# Altium PCB ALTIUM_{TEX139}_HV-1PH-DCAC-R3.PcbDoc (part 3 of 3)
Units mil, origin at the board's own origin, x right, y up, seen from the top; angles counter-clockwise.
Board outline 11236.22 x 7400 mil, 2 copper layers (Top Layer, Bottom Layer); 251 components, 161 nets, 894 pads, 401 vias.
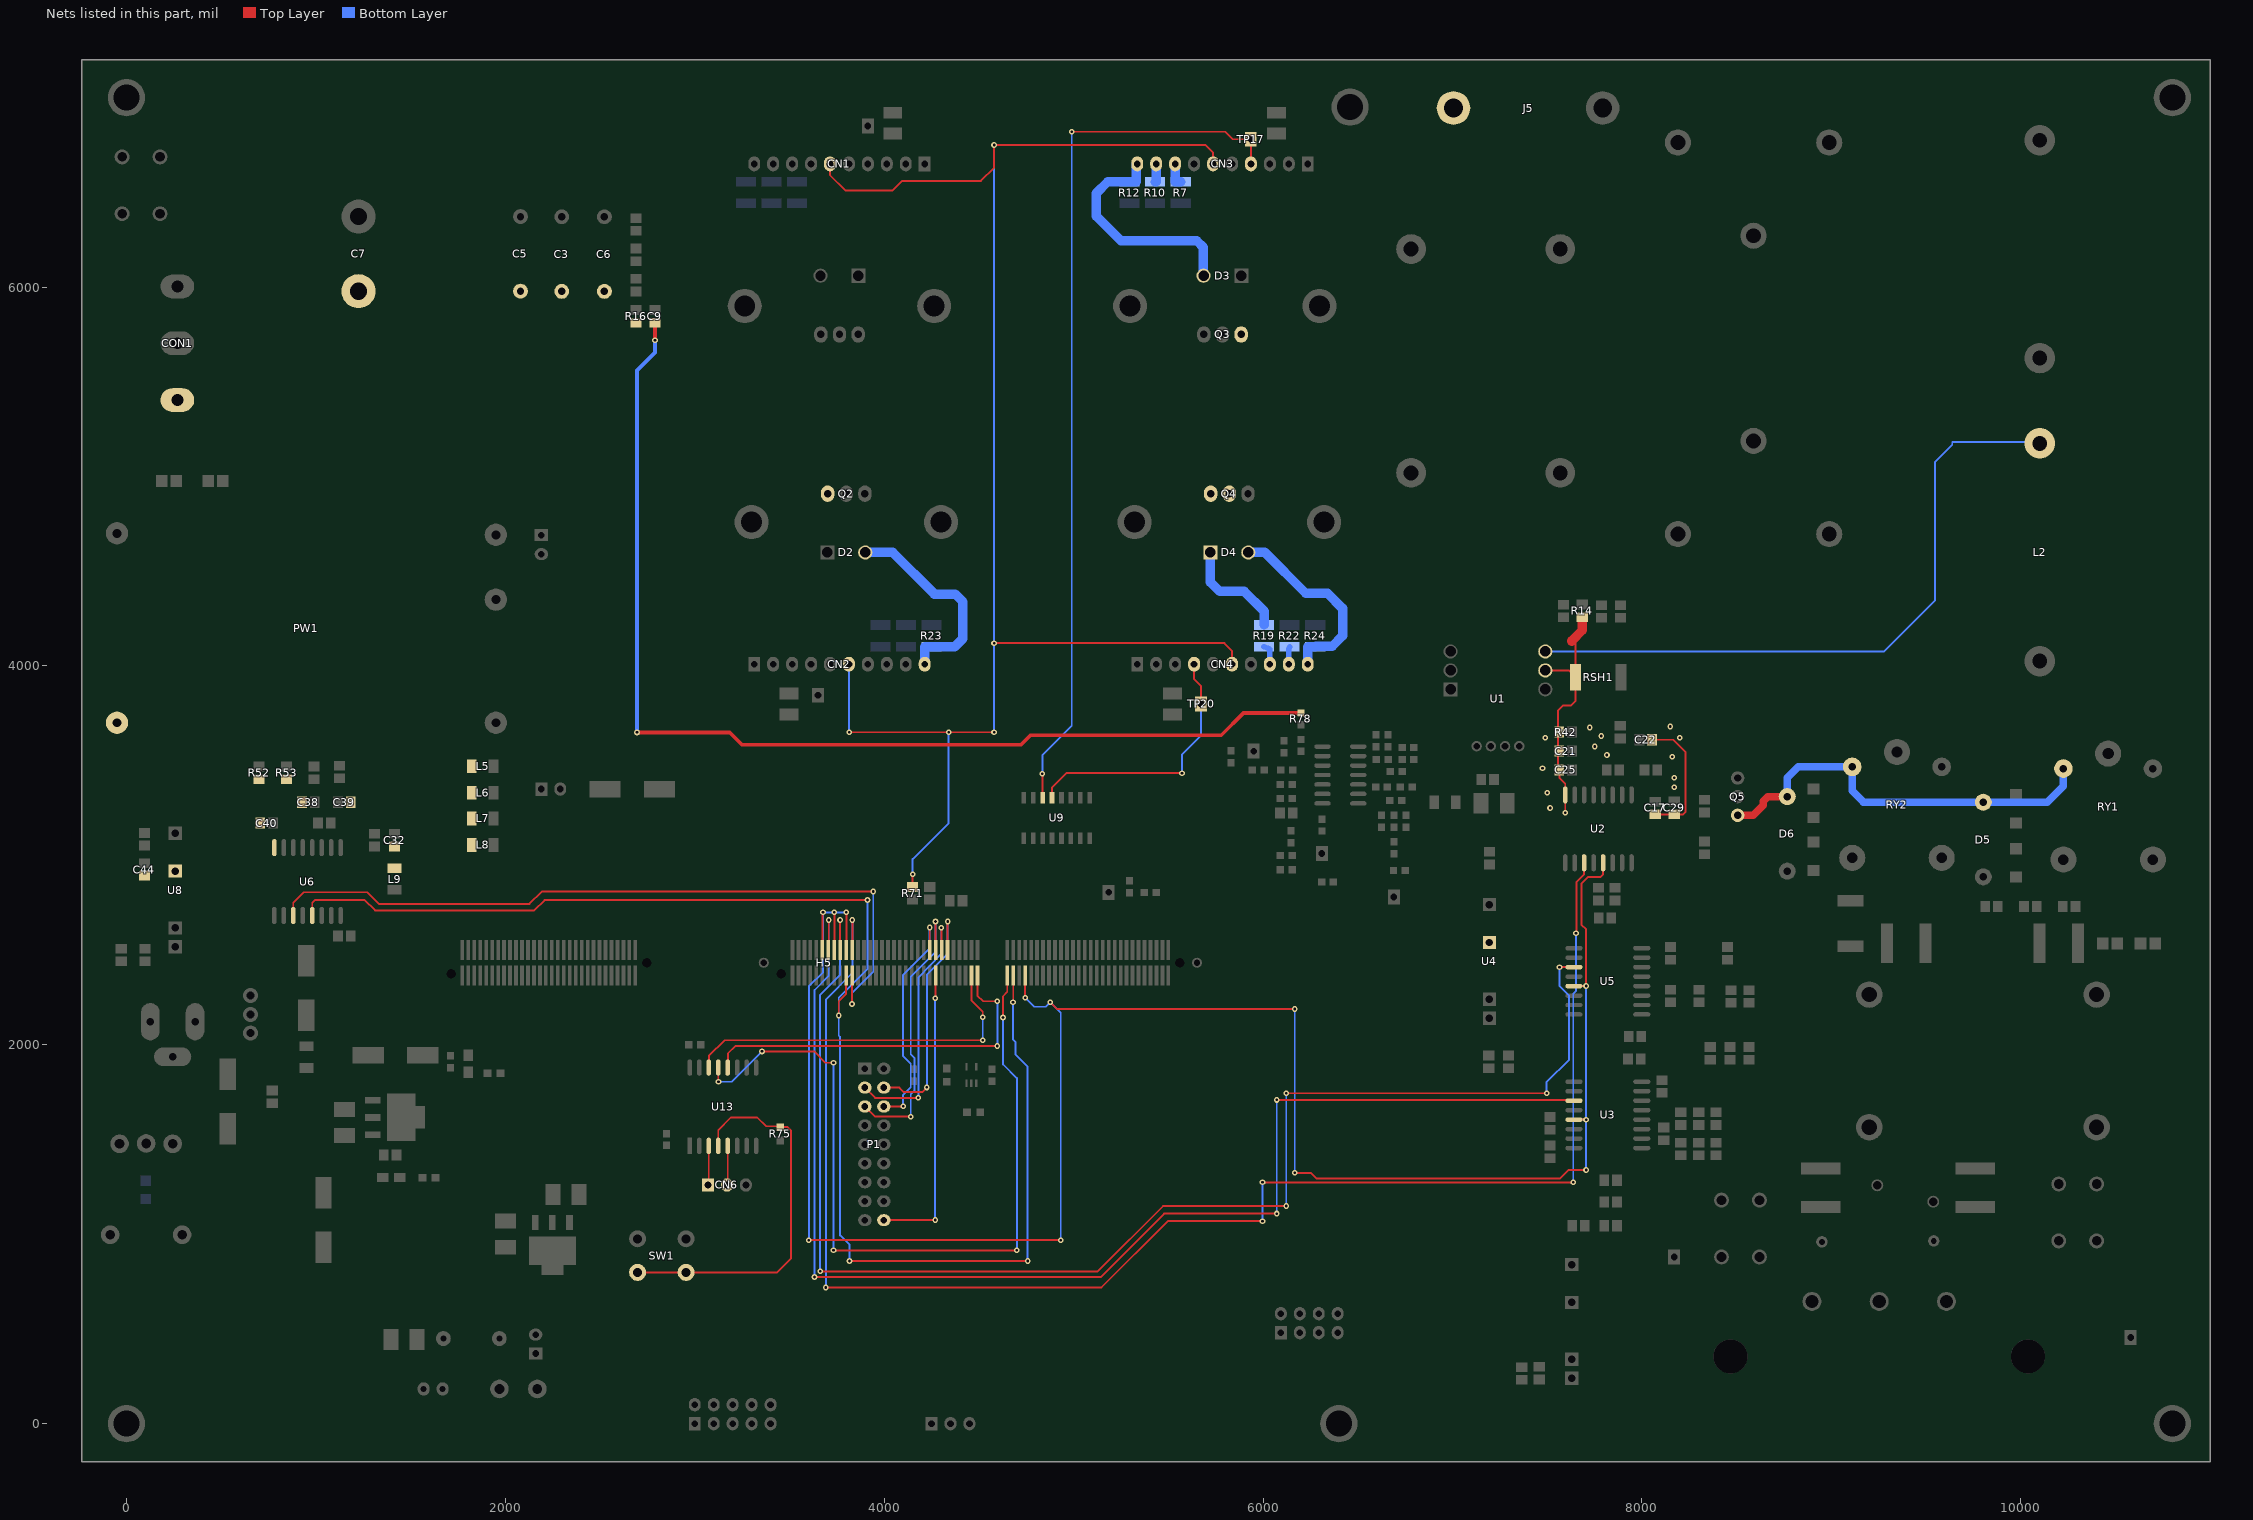
[diagram p3: the nets of this part, all layers, seen from the top]

## Via types
v1: diameter 30/30 (per signal layer), hole 14, Top Layer to Bottom Layer, 390 vias
v2: diameter 60/60 (per signal layer), hole 28, Top Layer to Bottom Layer, 10 vias
v3: diameter 50, hole 28, Top Layer to Bottom Layer, 1 vias

## Nets (pads, with @x,y where several pads share a name; then routed paths per layer and width w, separated by ;. In a path a pad name is that pad's centre, name@x,y a point inside that pad or via, vN(x,y) a via of type N, cw(c..) or ccw(c..) an arc to the next point about the centre after c; other vN are vias at no path point) (continued)
Q2PWM-: C3.1 C5.1 C6.1 C7.2 C9.2 C32.1 C38.2 C39.2 C40.1 C44.2 CN2.10 CN4.10 CON1.3 D2.2 D4.2 L5.1 L6.1 L7.1 L8.1 L9.1 PW1.2 Q2.3 Q4.3 R16.1 R23.1 R24.1 R52.1 R53.2 R78.1 U6.8 U8.5 | length 8001.1
  Top Layer w20: L9.1@1415,2932.09 L9.1@1416.91,2934 ; v1(2695,3649) 3185,3649 3250,3584 4722,3584 4772,3634 5779.5,3634 5897,3751.5 R78.1@6200,3751.5 ; v1(2790,5719) C9.2@2790,5811.54
  Bottom Layer w20: v1(2695,3649) 2695,5559 2790,5654 v1(2790,5719)
  Bottom Layer w50: D2.2@3900,4599 4045,4599 4265,4379 4375,4379 4415,4339 4415,4144 4372.91,4101.91 R23.1@4250,4101.91 4213.78,4101.91 CN2.10@4213.78,4009 ; D4.2@5922,4599 6010,4599 6225,4384 6340,4384 6420,4304 6420,4159 6365,4104 6277.09,4104 R24.1@6275,4101.91 6235.78,4101.91 CN4.10@6235.78,4009
Q3.PWM: CN3.4 TP17.1 U9.14 | length 4671.4
  Top Layer w10: v1(4835,3430) 4835.78,3429.22 U9.14@4835.78,3305.04 ; v1(4990,6820) 5800,6820 5840,6780 TP17.1@5935,6780 5935.78,6779.22 CN3.4@5935.78,6650
  Bottom Layer w10: v1(4835,3430) 4835,3529 4990,3684 v1(4990,6820)
Q3_C: CN3.8 R7.1 | length 123.1
  Bottom Layer w50: CN3.8@5535.78,6650 5535.78,6556.09 R7.1@5565,6556.09
Q3PWM+: CN3.9 R10.1 | length 99.7
  Bottom Layer w50: R10.1@5430,6556.09 5435,6556.09 5435,6650 CN3.9@5435.78,6650
Q3PWM-: CN3.10 D3.2 D4.1 J5.1 Q3.3 Q4.2 R12.1 R19.2 | length 1816
  Bottom Layer w50: CN3.10@5335.78,6650 5330,6650 5330,6556.09 R12.1@5295,6556.09 5180,6556.09 5120,6496.09 5120,6374 5250,6244 5650,6244 5685,6209 5685,6060 D3.2@5685.78,6060 ; D4.1@5722,4599 5722,4442 5770,4394 5900,4394 6005,4289 R19.2@6005,4216.09
Q4.PWM: CN4.4 TP20.1 U9.13 | length 1403.3
  Top Layer w10: U9.13@4885.78,3305.04 4885.78,3359 4960.78,3434 v1(5572,3434) ; CN4.4@5635.78,4009 5635.78,3930 5672.78,3893 TP20.1@5672.78,3799.15
  Bottom Layer w10: v1(5572,3434) 5572,3533.22 5672.78,3634 TP20.1@5672.78,3799.15
Q4_C: CN4.8 R19.1 | length 112.7
  Bottom Layer w30: R19.1@6005,4101.91 6035.78,4087.91 CN4.8@6035.78,4009
Q4PWM+: CN4.9 R22.1 | length 93.5
  Bottom Layer w30: CN4.9@6135.78,4009 6135.78,4087.91 R22.1@6140,4101.91
RESET: CN1.6 CN2.6 CN3.6 CN4.6 R71.1 | length 8824.5
  Top Layer w10: CN1.6@3713.78,6650 3713.78,6591.22 3795,6510 4045,6510 4095,6560 4510,6560 4580,6630 v1(4580,6750) 5695.78,6750 5735.78,6710 CN3.6@5735.78,6650 ; v1(3815,3650) v1(4340,3650) v1(4580,3650) ; R71.1@4150,2833.46 v1(4150,2900) ; v1(4580,4120) 5795.78,4120 5835.78,4080 CN4.6@5835.78,4009
  Bottom Layer w10: CN2.6@3813.78,4009 3813.78,3650 v1(3815,3650) ; v1(4150,2900) 4150,2980 4340,3170 v1(4340,3650) ; v1(4580,3650) v1(4580,4120) v1(4580,6750)
RS232RX: H5.60 U13.14 | length 1868.4
  Top Layer w10: U13.14@3073.78,1879.84 3075,1881.06 3075,1942 3157,2024 v1(4520,2024) ; H5.60@4460.63,2326.14 4460.63,2234.37 4520,2175 v1(4520,2145)
  Bottom Layer w10: v1(4520,2024) v1(4520,2145)
RS232TX: H5.58 U13.12 | length 1932.7
  Top Layer w10: U13.12@3173.78,1879.84 3175,1881.06 3175,1954 3215,1994 v1(4597,1994) ; H5.58@4492.13,2326.14 4492.13,2260 4522.13,2230 v1(4597,2230)
  Bottom Layer w10: v1(4597,1994) v1(4597,2230)
RX_ISO: CN6.2 U13.5 | length 208
  Top Layer w10: CN6.2@3170,1260 3173.78,1263.78 U13.5@3173.78,1466.46
RYCOM: D5.1 D6.1 Q5.2 RY1.2 RY2.2 | length 2175.2
  Top Layer w40: Q5.2@8505,3211.57 8586.57,3211.57 8640,3265 8640,3285 8665,3310 8766.68,3310 D6.1@8767,3310.31
  Bottom Layer w40: D6.1@8767,3310.31 8767,3409.16 8825,3467.16 RY2.2@9109.78,3467.16 9109.78,3340 9169.46,3280.31 D5.1@9802,3280.31 10139.78,3280.31 10224.78,3365.31 RY1.2@10224.78,3458.16
SD_CLK_GRID: H5.50 H5.101 H5.105 H5.109 U2.13 U3.13 U5.13 | length 10955.1
  Top Layer w10: v1(3602,969) v1(4932,969) ; H5.109@3673.23,2540 3673.23,2695.23 v1(3677,2699) ; H5.105@3736.22,2540 3737,2500.02 v1(3737,2699) ; H5.101@3799.21,2540 3800,2500.02 v1(3800,2699) ; H5.50@4744.09,2326.14 4744.09,2248.91 v1(4745,2248) ; v1(4876,2224) 4911,2189 v1(6167,2189) ; v1(6167,1324) 6252,1324 6282,1294 7567,1294 7612,1339 v1(7705,1339) ; U3.13@7640.87,1605 v1(7705,1605) ; U5.13@7640.87,2310 v1(7705,2310) 7705,2609 7680,2634 7680,2850 7715,2885 7780,2885 7795,2900 U2.13@7795,2960.87
  Bottom Layer w10: v1(3602,969) 3602,2309 3677,2384 v1(3677,2699) v1(3737,2699) v1(3800,2699) ; v1(4745,2248) 4792,2201 4853,2201 v1(4876,2224) 4932,2168 v1(4932,969) ; v1(6167,1324) v1(6167,2189) ; v1(7705,1339) v1(7705,1605) v1(7705,2310)
SD_CLK_VBUS: H5.54 H5.102 U6.13 | length 7669.1
  Top Layer w10: U6.13@980.57,2682.34 980.57,2749 996.57,2765 1256,2765 1312,2709 2152,2709 2207,2764 v1(3912,2764) ; v1(3760,2155) 3760,2230.79 3799.21,2270 H5.102@3799.21,2326.14 ; v1(3817,859) v1(4757,859) ; v1(4680,2225) 4681.1,2226.1 H5.54@4681.1,2326.14
  Bottom Layer w10: v1(3817,859) 3817,944 3767,994 3767,2042 3760,2049 v1(3760,2155) 3760,2249 3912,2401 v1(3912,2764) ; v1(4680,2225) 4680,2027 4692,2015 4692,1950 4757,1885 v1(4757,859)
SD_DATA_CAPI: H5.99 U2.11 | length 8202.9
  Top Layer w10: v1(3692,719) 5147,719 5497,1069 v1(5997,1069) ; H5.99@3830.71,2540 H5.99@3832,2500.04 ; H5.99@3832,2500 v1(3832,2659) ; v1(5997,1274) v1(7637,1274) ; v1(7652,2589) 7654,2591 7654,2859 7695,2900 U2.11@7695,2960.87
  Bottom Layer w10: v1(3692,719) 3692,2239 3832,2379 v1(3832,2659) ; v1(5997,1069) v1(5997,1274) ; v1(7637,1274) 7637,2269 7652,2284 v1(7652,2589)
SD_DATA_GRIDI: H5.103 U5.11 | length 7481.9
  Top Layer w10: v1(3662,804) 5127,804 5472,1149 v1(6122,1149) ; v1(3767,2659) 3767,2500 H5.103@3767.72,2540 ; v1(6122,1744) v1(7497,1744) ; v1(7565,2410) U5.11@7640.87,2410
  Bottom Layer w10: v1(3662,804) 3662,2264 3767,2369 v1(3767,2659) ; v1(6122,1149) v1(6122,1744) ; v1(7497,1744) 7497,1804 7615,1922 7615,2259 7565,2309 v1(7565,2410)
SD_DATA_GRIDV: H5.107 U3.11 | length 6864.4
  Top Layer w10: v1(3632,774) 5142,774 5477,1109 v1(6072,1109) ; H5.107@3704.72,2540 3706.99,2500.13 3707,2500 v1(3707,2659) ; v1(6072,1709) 7636.87,1709 U3.11@7640.87,1705
  Bottom Layer w10: v1(3632,774) 3632,2289 3707,2364 v1(3707,2659) ; v1(6072,1109) v1(6072,1709)
SD_DATA_VBUS: H5.100 U6.11 | length 4033.6
  Top Layer w10: U6.11@880.57,2682.34 880.57,2749 936.57,2805 1271,2805 1332,2744 2127,2744 2192,2809 v1(3942,2809) ; v1(3830,2215) 3830,2365.43 H5.100@3830.71,2326.14
  Bottom Layer w10: v1(3830,2215) 3830,2274 3942,2386 v1(3942,2809)
SDSENSEGND1: C17.1 C21.2 C22.2 C25.1 C29.2 L2.1 R14.2 R42.1 RSH1.2 U1.4 U1.5 U2.8 U4.5 | length 5496.1
  Top Layer w10: U1.5@7489.68,3976.26 7613.66,3976.26 RSH1.2@7649.92,3940 ; v1(7595,3225) U2.8@7595,3319.13 7595,3378.76 7563.76,3410 C25.1@7563.76,3450.85 7557.22,3457.39 7557.22,3550.85 7557.22,3765 7582.26,3790.04 7624.96,3790.04 7649.92,3815 RSH1.2@7649.92,3940 ; 7650,4130 7650,3940.08 RSH1.2@7649.92,3940 ; C22.2@8060,3610 8165,3610 8230,3545 8230,3230 8215,3215 8172.54,3215 C29.2@8170,3217.54 8170,3216.54 C17.1@8070,3216.54
  Top Layer w50: 7630,4130 7630,4133 7685,4188 R14.2@7685,4257
  Bottom Layer w10: U1.4@7489.68,4076.26 9278.26,4076.26 9546,4344 9546,5076 9638,5168 9638,5181 10094,5181 L2.1@10100,5175
  other v1: 7515,3250 7500,3330 8170,3360 8170,3410 7475,3460 8160,3520 7815,3530 7750,3575 7490,3620 8200,3620 7785,3630 7725,3675 8150,3680
SPICLKA: H5.71 P1.5 | length 1478.4
  Top Layer w10: P1.5@3897.78,1674.15 3950,1621.93 4138.07,1621.93 v1(4140,1620) ; v1(4271,2651) 4271.65,2651 H5.71@4271.65,2540
  Bottom Layer w10: v1(4140,1620) 4140,1740 4160,1760 4160,1930 4140,1950 4140,2360 4271,2490 v1(4271,2651)
SPISIMOA: H5.67 P1.4 | length 1280.5
  Top Layer w10: P1.4@3997.78,1774.15 4080,1774.15 4104.15,1750 4200,1750 v1(4225,1775) ; H5.67@4334.65,2540 4334.65,2651 v1(4335,2651)
  Bottom Layer w10: v1(4225,1775) 4225,2370 4335,2480 v1(4335,2651)
SPISOMIA: H5.69 P1.3 | length 1330.5
  Top Layer w10: P1.3@3897.78,1774.15 3951.93,1720 v1(4180,1720) ; v1(4301,2618) 4303.15,2615.85 H5.69@4303.15,2540
  Bottom Layer w10: v1(4180,1720) 4180,2355 4301,2480 v1(4301,2618)
SPISTEA: H5.73 P1.6 | length 1216.8
  Top Layer w10: P1.6@3997.78,1674.15 4099.15,1674.15 v1(4100,1675) ; v1(4240,2619) 4240.16,2618.84 H5.73@4240.16,2540
  Bottom Layer w10: v1(4100,1675) 4100,1735 4140,1775 4140,1900 4100,1940 4100,2370 4240,2510 v1(4240,2619)
SW-ON: H5.56 U13.13 | length 4182.2
  Top Layer w10: U13.13@3123.78,1879.84 3123.78,1806.22 v1(3125,1805) ; v1(3355,1965) 3630,1965 3690,1905 v1(3732,1905) ; v1(3732,915) v1(4700,915) ; v1(4627,2144) 4627,2256.39 4649.61,2279 H5.56@4649.61,2326.14
  Bottom Layer w10: v1(3125,1805) 3195,1805 v1(3355,1965) ; v1(3732,915) v1(3732,1905) ; v1(4627,2144) 4627,1897 4700,1824 v1(4700,915)
SW-ON-ISO: R75.2 SW1.3 SW1.4 U13.4 | length 2038.3
  Top Layer w10: SW1.3@2698.27,798.74 SW1.4@2954.17,798.74 3435,798.74 3507,870.74 3507,1548 3489.96,1565.04 R75.2@3450,1565.04 3445.04,1570 3376.22,1570 3330,1616.22 3190,1616.22 3123.78,1550 U13.4@3123.78,1466.46
TX_ISO: CN6.1 U13.3 | length 208
  Top Layer w10: CN6.1@3070,1260 3073.78,1263.78 U13.3@3073.78,1466.46
TXDRVEN: H5.72 P1.18 | length 1524.5
  Top Layer w10: P1.18@3997.78,1074.15 4269.15,1074.15 v1(4269,1075) ; v1(4269,2246) 4271.65,2248.65 H5.72@4271.65,2326.14
  Bottom Layer w10: v1(4269,1075) v1(4269,2246)
pads on no net: @0.1 @0_2.1 @0_3.1 @0_4.1 @0_5.1 @0_6.1 CN7.3 CN7.5 CN7.7 CON1.2 H1.0 H2.0 H3.0 H4.0 H5.1 H5.2 H5.3 H5.4 H5.5 H5.6 H5.8 H5.13 H5.14 H5.16 H5.18 H5.20 H5.24 H5.26 H5.28 H5.29 H5.30 H5.31 H5.32 H5.33 H5.34 H5.36 H5.37 H5.39 H5.40 H5.41 H5.42 H5.43 H5.44 H5.45 H5.62 H5.64 H5.66 H5.74 H5.75 H5.76 H5.78 H5.80 H5.81 H5.82 H5.85 H5.86 H5.87 H5.88 H5.89 H5.90 H5.91 H5.92 H5.93 H5.94 H5.95 H5.96 H5.104 H5.106 H5.108 H5.110 H5.113 H5.114 H5.115 H5.116 H5.117 H5.118 H5.119 H5.120 H5.121 H5.122 H5.123 H5.124 H5.125 H5.126 H5.127 H5.128 H5.129 H5.130 H5.131 H5.132 H5.133 H5.134 H5.136 H5.137 H5.138 H5.139 H5.140 H5.141 H5.142 H5.143 H5.144 H5.145 H5.146 H5.147 H5.148 H5.149 H5.150 H5.151 H5.152 H5.153 H5.154 H5.155 H5.156 H5.159 H5.160 H5.161 H5.162 H5.163 H5.164 H5.165 H5.166 H5.167 H5.168 H5.169 H5.170 H5.171 H5.172 H5.173 H5.174 H5.175 H5.176 H5.177 H5.178 H5.181 H5.182 H5.183 H5.184 H5.185 H5.186 J1.4 J1.5 P1.7 P1.8 P1.9 P1.14 P2.3 P2.4 P2.5 P2.6 PW1.6 RY1.4 RY2.4 S1.3 U2.4 U2.5 U2.10 U2.12 U2.15 U3.4 U3.5 U3.10 U3.12 U3.15 U5.4 U5.5 U5.10 U5.12 U5.15 U6.4 U6.5 U6.10 U6.12 U6.15 U9.5 U9.6 U9.7 U9.9 U9.10 U9.11 U9.12 U12.5 U13.6 U13.11 U15.3
copper on no net: | length 0.2

## Polygon pours and split planes (outlines as drawn)
Q2PWM- on Top Layer "Top Layer-Q2PWM-" (solid, remove dead copper, pour order 42): 885 vertices, not listed, extent -188,2765 6037,6120
NETL1_2 on Top Layer "Top Layer-NETL1_2" (solid, remove dead copper, pour order 38): 261 vertices, not listed, extent 6560,3805 7790,5310
SDSENSEGND1 on Top Layer "Top Layer-SDSENSEGND1 1" (solid, remove dead copper, pour order 36): 157 vertices, not listed, extent 7422,3839 7677,4169
NETCON1_1 on Top Layer "Top Layer-NETCON1_1" (solid, remove dead copper, pour order 30): 105 vertices, not listed, extent -75,5855 410,6460
LINE_VN on Top Layer "Top Layer-LINE_VN" (solid, remove dead copper, pour order 28): 365 vertices, not listed, extent 7557,474 8912,2824
SDSENSEGND1 on Top Layer "Top Layer-SDSENSEGND1" (solid, remove dead copper, pour order 26): 261 vertices, not listed, extent 7100,2419 8250,3730
GND on Top Layer "Top Layer-GND" (solid, remove dead copper, pour order 10): 1197 vertices, not listed, extent -188,-126 8662,5064
Q1PWM- on Top Layer "Top Layer-Q1PWM-" (solid, remove dead copper, pour order 8): 365 vertices, not listed, extent 3425,5419 7800,6400
+BUS on Top Layer "Top Layer-+BUS" (solid, remove dead copper, pour order 4): 780 vertices, not listed, extent -200,4475 6135,6834
GNDISO on Top Layer "Top Layer-GNDISO" (solid, remove dead copper, pour order 2): 157 vertices, not listed, extent 1860,-140 3532,1670
GND on Bottom Layer "Bottom Layer-GND" (solid, remove dead copper, pour order 40): 1197 vertices, not listed, extent -188,-126 8662,5064
Q1PWM- on Bottom Layer "Bottom Layer-Q1PWM-" (solid, remove dead copper, pour order 32): 444 vertices, not listed, extent 3430,4534 4095,6189
GNDISO on Bottom Layer "Bottom Layer-GNDISO 1" (solid, remove dead copper, pour order 24): 157 vertices, not listed, extent 1860,-140 3532,1670
LINE_VN on Bottom Layer "Bottom Layer-LINE_VN" (solid, remove dead copper, pour order 22): 365 vertices, not listed, extent 7557,474 8912,2824
SDSENSEGND1 on Bottom Layer "Bottom Layer-SDSENSEGND1" (solid, remove dead copper, pour order 16): 261 vertices, not listed, extent 7100,2419 8250,3730
Q3PWM- on Bottom Layer "Bottom Layer-Q3PWM-" (solid, remove dead copper, pour order 14): 625 vertices, not listed, extent 5455,4524 7390,7129
GNDISO on Bottom Layer "Bottom Layer-GNDISO" (solid, remove dead copper, pour order 6): 157 vertices, not listed, extent 1860,-140 3532,1670

## Keep-outs
Keep-Out Layer:
  the board outline again, w12

## Other copper
Top Layer:
  rectangle net NETL2_2: 10349,3431 10573,3818
  rectangle net NETL2_2: 9864,3802 10573,4153
  rectangle net NetL2N_2: 9239,3472 9442,5950
  rectangle net NetL2N_2: 9393,5373 10383,5951
  rectangle net NETC1_2: 7677,6585 10251,7049
  rectangle net NETC1_2: 8154,6172 9021,6656
  rectangle net CAPISENSESD: 7848,3846 9086,4047
  rectangle net CAPISENSESD: 8108,3927 9086,5353
  pour cut-out: 8590,2230 8590,2240 8640,2240 8752.5,2352.5 8752.5,2405 8886.25,2538.75 9040,2538.75 9040,2495 8905,2495 8792.5,2382.5 8792.5,2330 8656.25,2193.75 8585,2193.75 8585,2230 8590,2230
  pour cut-out: 8530,2205 8530,2015 8600,2015 8600,2205 8530,2205
  region net LINE.L: 8759.65,720 8761.03,730.44 8765.06,740.17 8771.47,748.53 8779.83,754.94 8789.56,758.97 8800,760.35 8800,760 9040,760.35 9050.44,758.97 9060.17,754.94 9068.53,748.53 9074.94,740.17 9078.97,730.44 9080.35,720 9080,720 9079.65,250 9081.03,239.56 9085.06,229.83 9091.47,221.47 9099.83,215.06 9109.56,211.03 9120,209.65 9120,210 10210,209.65 10220.44,211.03 10230.17,215.06 10238.53,221.47 10244.94,229.83 10248.97,239.56 10250.35,250 10250,250 10250.35,640 10248.97,650.44 10244.94,660.17 10238.53,668.53 10230.17,674.94 10220.44,678.97 10210,680.35 10210,680 10090,679.65 10079.56,681.03 10069.83,685.06 10061.47,691.47 10055.06,699.83 10051.03,709.56 10049.65,720 10050,720 10049.65,1050 10051.03,1060.44 10055.06,1070.17 10061.47,1078.53 10069.83,1084.94 10079.56,1088.97 10090,1090.35 10090,1090 10590,1090.35 10600.44,1088.97 10610.17,1084.94 10618.53,1078.53 10624.94,1070.17 10628.97,1060.44 10630.35,1050 10630,1050 10630.35,-105 10628.97,-115.44 10624.94,-125.17 10618.53,-133.53 10610.17,-139.94 10600.44,-143.97 10590,-145.35 10590,-145 6735,-145.35 6724.56,-143.97 6714.83,-139.94 6706.47,-133.53 6700.06,-125.17 6696.03,-115.44 6694.65,-105 6695,-105 6695.35,145 6693.97,155.44 6689.94,165.17 6683.53,173.53 6675.17,179.94 6665.44,183.97 6655,185.35 6655,185 6050,184.65 6039.56,186.03 6029.83,190.06 6021.47,196.47 6015.06,204.83 6011.03,214.56 6009.65,225 6010,225 6009.65,635 6011.03,645.44 6015.06,655.17 6021.47,663.53 6029.83,669.94 6039.56,673.97 6050,675.35 6050,675 6090,675.35 6100.44,673.97 6110.17,669.94 6118.53,663.53 6124.94,655.17 6128.97,645.44 6130.35,635 6130,635 6129.65,420 6131.03,409.56 6135.06,399.83 6141.47,391.47 6149.83,385.06 6159.56,381.03 6170,379.65 6170,380 6900,380.35 6910.44,378.97 6920.17,374.94 6928.53,368.53 6934.94,360.17 6938.97,350.44 6940.35,340 6940,340 6939.65,49 6941.03,38.56 6945.06,28.83 6951.47,20.47 6959.83,14.06 6969.56,10.03 6980,8.65 6980,9 8720,8.65 8730.44,10.03 8740.17,14.06 8748.53,20.47 8754.94,28.83 8758.97,38.56 8760.35,49 8760,49 8760,720
  region net NETC74_1: 2320,440 2080,440 2080,620 1860,620 1860,1160 2180,1160 2180,1020 1910,1020 1910,730 2320,730 2320,440
  region net NETJ2_1: 311.57,2359 313.29,2372.05 318.33,2384.22 326.34,2394.66 336.78,2402.67 348.95,2407.71 362,2409.43 362,2409 722,2409.43 735.05,2407.71 747.22,2402.67 757.66,2394.66 765.67,2384.22 770.71,2372.05 772.43,2359 772,2359 772.07,2258.98 771.65,2255.84 767.35,2245.44 760.49,2236.51 751.56,2229.65 741.16,2225.35 730,2223.88 721.98,2224.93 722,2225 621.95,2225.04 618.52,2224.7 607.49,2221.35 597.31,2215.92 588.4,2208.6 581.08,2199.69 575.65,2189.51 572.3,2178.48 571.17,2167 571.96,2158.95 572,2159 572.43,2059 570.71,2045.95 565.67,2033.78 557.66,2023.34 547.22,2015.33 535.05,2010.29 522,2008.57 522,2009 362,2008.57 348.95,2010.29 336.78,2015.33 326.34,2023.34 318.33,2033.78 313.29,2045.95 311.57,2059 312,2059 312,2359
  region net NETC8_1: 9482,1219 9862,1219 9862,899 9482,899 9482,1219
  region net +5V: -140,2440 180,2440 180,2340 20,2340 20,1310 815,1310 815,1550 1335,1550 1335,1435 1370,1435 1370,1244 1235,1244 1235,1345 905,1345 905,1045 1415,1045 1415,310 1600,310 1600,110 400,110 400,1115 -140,1115 -140,2440
  region net 3.3VISO: 2220,1490 2970,1490 2970,1390 2280,1390 2280,920 2220,920 2220,1490
  region net NETJP4_1: 2080,400 2320,400 2320,120 2080,120 2080,400
  region net LINE_VN: 9034.65,2605 9036.03,2615.44 9040.06,2625.17 9046.47,2633.53 9054.83,2639.94 9064.56,2643.97 9075,2645.35 9075,2645 9280,2645.35 9290.44,2643.97 9300.17,2639.94 9308.53,2633.53 9314.94,2625.17 9318.97,2615.44 9320.35,2605 9320,2605 9320.35,2205 9318.97,2194.56 9314.94,2184.83 9308.53,2176.47 9300.17,2170.06 9290.44,2166.03 9280,2164.65 9280,2165 9075,2164.65 9064.56,2166.03 9054.83,2170.06 9046.47,2176.47 9040.06,2184.83 9036.03,2194.56 9034.65,2205 9035,2205 9035,2605
  pour cut-out: 8485,2555 8638.75,2551.25 8877.5,2790 9055,2790 9055,2735 8910,2735 8660,2485 8485,2487.5 8485,2555
  region net LINE_VP: 10134.65,3035 10136.03,3045.44 10140.06,3055.17 10146.47,3063.53 10154.83,3069.94 10164.56,3073.97 10175,3075.35 10175,3075 10470,3075.35 10480.44,3073.97 10490.17,3069.94 10498.53,3063.53 10504.94,3055.17 10508.97,3045.44 10510.35,3035 10510,3035 10510.35,2680 10508.97,2669.56 10504.94,2659.83 10498.53,2651.47 10490.17,2645.06 10480.44,2641.03 10470,2639.65 10470,2640 10445,2640 10444.65,2455 10446.03,2444.56 10450.06,2434.83 10456.47,2426.47 10464.83,2420.06 10474.56,2416.03 10485,2414.65 10485,2415 10495,2415.35 10505.44,2413.97 10515.17,2409.94 10523.53,2403.53 10529.94,2395.17 10533.97,2385.44 10535.35,2375 10535,2375 10535.35,2210 10533.97,2199.56 10529.94,2189.83 10523.53,2181.47 10515.17,2175.06 10505.44,2171.03 10495,2169.65 10495,2170 10325,2169.65 10314.56,2171.03 10304.83,2175.06 10296.47,2181.47 10290.06,2189.83 10286.03,2199.56 10284.65,2210 10285,2210 10285.35,2790 10283.97,2800.44 10279.94,2810.17 10273.53,2818.53 10265.17,2824.94 10255.44,2828.97 10245,2830.35 10245,2830 10175,2829.65 10164.56,2831.03 10154.83,2835.06 10146.47,2841.47 10140.06,2849.83 10136.03,2859.56 10134.65,2870 10135,2870 10135,3035
  region net EARTH: 9330.35,630 9328.97,619.56 9324.94,609.83 9318.53,601.47 9310.17,595.06 9300.44,591.03 9290,589.65 9290,590 9210,589.65 9199.56,591.03 9189.83,595.06 9181.47,601.47 9175.06,609.83 9171.03,619.56 9169.65,630 9170,630 9169.65,810 9171.03,820.44 9175.06,830.17 9181.47,838.53 9189.83,844.94 9199.56,848.97 9210,850.35 9210,850 9860,849.65 9870.44,851.03 9880.17,855.06 9888.53,861.47 9894.94,869.83 9898.97,879.56 9900.35,890 9900,890 9900.35,1260 9898.97,1270.44 9894.94,1280.17 9888.53,1288.53 9880.17,1294.94 9870.44,1298.97 9860,1300.35 9860,1300 9641.48,1299.65 9638.55,1300.04 9638.52,1300.11 9100,1340 9100,1300 8850,1299.65 8839.56,1301.03 8829.83,1305.06 8821.47,1311.47 8815.06,1319.83 8811.03,1329.56 8809.65,1340 8810,1340 8809.65,1390 8811.03,1400.44 8815.06,1410.17 8821.47,1418.53 8829.83,1424.94 8839.56,1428.97 8850,1430.35 8850,1430 9595,1429.65 9605.44,1431.03 9615.17,1435.06 9623.53,1441.47 9629.94,1449.83 9633.97,1459.56 9635.35,1470 9635,1470 9635.35,2365 9633.97,2375.44 9629.94,2385.17 9623.53,2393.53 9615.17,2399.94 9605.44,2403.97 9595,2405.35 9595,2405 9525,2404.65 9514.56,2406.03 9504.83,2410.06 9496.47,2416.47 9490.06,2424.83 9486.03,2434.56 9484.65,2445 9485,2445 9484.65,2550 9486.03,2560.44 9490.06,2570.17 9496.47,2578.53 9504.83,2584.94 9514.56,2588.97 9525,2590.35 9525,2590 10080,2590.35 10090.44,2588.97 10100.17,2584.94 10108.53,2578.53 10114.94,2570.17 10118.97,2560.44 10120.35,2550 10120,2550 10120.35,2445 10118.97,2434.56 10114.94,2424.83 10108.53,2416.47 10100.17,2410.06 10090.44,2406.03 10080,2404.65 10080,2405 10020,2405.35 10009.56,2403.97 9999.83,2399.94 9991.47,2393.53 9985.06,2385.17 9981.03,2375.44 9979.65,2365 9980,2365 9980.35,770 9978.97,759.56 9974.94,749.83 9968.53,741.47 9960.17,735.06 9950.44,731.03 9940,729.65 9940,730 9370,730.35 9359.56,728.97 9349.83,724.94 9341.47,718.53 9335.06,710.17 9331.03,700.44 9329.65,690 9330,690 9330,630
  region net GRIDISENSESD: 9029.65,3045 9031.03,3055.44 9035.06,3065.17 9041.47,3073.53 9049.83,3079.94 9059.56,3083.97 9070,3085.35 9070,3085 9285,3085.35 9295.44,3083.97 9305.17,3079.94 9313.53,3073.53 9319.94,3065.17 9323.97,3055.44 9325.35,3045 9325,3045 9325.35,2775 9323.97,2764.56 9319.94,2754.83 9313.53,2746.47 9305.17,2740.06 9295.44,2736.03 9285,2734.65 9285,2735 9070,2734.65 9059.56,2736.03 9049.83,2740.06 9041.47,2746.47 9035.06,2754.83 9031.03,2764.56 9029.65,2775 9030,2775 9030,3045
  region net NETC10_2: 8359.65,1270 8361.03,1280.44 8365.06,1290.17 8371.47,1298.53 8379.83,1304.94 8389.56,1308.97 8400,1310.35 8400,1310 8750,1310.35 8760.44,1308.97 8770.17,1304.94 8778.53,1298.53 8784.94,1290.17 8788.97,1280.44 8790.35,1270 8790,1270 8789.65,1230 8791.03,1219.56 8795.06,1209.83 8801.47,1201.47 8809.83,1195.06 8819.56,1191.03 8830,1189.65 8830,1190 9110,1189.65 9120.44,1191.03 9130.17,1195.06 9138.53,1201.47 9144.94,1209.83 9148.97,1219.56 9150.35,1230 9150,1230 9149.65,1250 9151.03,1260.44 9155.06,1270.17 9161.47,1278.53 9169.83,1284.94 9179.56,1288.97 9190,1290.35 9190,1290 9260,1290.35 9270.44,1288.97 9280.17,1284.94 9288.53,1278.53 9294.94,1270.17 9298.97,1260.44 9300.35,1250 9300,1250 9300.35,950 9298.97,939.56 9294.94,929.83 9288.53,921.47 9280.17,915.06 9270.44,911.03 9260,909.65 9260,910 8920,909.65 8909.56,911.03 8899.83,915.06 8891.47,921.47 8885.06,929.83 8881.03,939.56 8879.65,950 8880,950 8880.35,1050 8878.97,1060.44 8874.94,1070.17 8868.53,1078.53 8860.17,1084.94 8850.44,1088.97 8840,1090.35 8840,1090 8400,1089.65 8389.56,1091.03 8379.83,1095.06 8371.47,1101.47 8365.06,1109.83 8361.03,1119.56 8359.65,1130 8360,1130 8360,1270
Bottom Layer:
  rectangle net SDSENSEGND1: 7426,3942 9662,4170
  rectangle net SDSENSEGND1: 9246,4079 9661,5370
  rectangle net SDSENSEGND1: 9616,4932 10378,5373
  region net NETC8_1: 9479.65,1610 9481.03,1620.44 9485.06,1630.17 9491.47,1638.53 9499.83,1644.94 9509.56,1648.97 9520,1650.35 9520,1650 10520,1650.35 10530.44,1648.97 10540.17,1644.94 10548.53,1638.53 10554.94,1630.17 10558.97,1620.44 10560.35,1610 10560,1610 10560.35,1250 10558.97,1239.56 10554.94,1229.83 10548.53,1221.47 10540.17,1215.06 10530.44,1211.03 10520,1209.65 10520,1210 9860,1210.35 9849.56,1208.97 9839.83,1204.94 9831.47,1198.53 9825.06,1190.17 9821.03,1180.44 9819.65,1170 9820,1170 9820.35,940 9818.97,929.56 9814.94,919.83 9808.53,911.47 9800.17,905.06 9790.44,901.03 9780,899.65 9780,900 9520,899.65 9509.56,901.03 9499.83,905.06 9491.47,911.47 9485.06,919.83 9481.03,929.56 9479.65,940 9480,940 9480,1610
  region net NETC10_2: 8359.65,1270 8361.03,1280.44 8365.06,1290.17 8371.47,1298.53 8379.83,1304.94 8389.56,1308.97 8400,1310.35 8400,1310 8750,1309.65 8760.44,1311.03 8770.17,1315.06 8778.53,1321.47 8784.94,1329.83 8788.97,1339.56 8790.35,1350 8790,1350 8789.65,1610 8791.03,1620.44 8795.06,1630.17 8801.47,1638.53 8809.83,1644.94 8819.56,1648.97 8830,1650.35 8830,1650 9260,1650.35 9270.44,1648.97 9280.17,1644.94 9288.53,1638.53 9294.94,1630.17 9298.97,1620.44 9300.35,1610 9300,1610 9300.35,950 9298.97,939.56 9294.94,929.83 9288.53,921.47 9280.17,915.06 9270.44,911.03 9260,909.65 9260,910 8920,909.65 8909.56,911.03 8899.83,915.06 8891.47,921.47 8885.06,929.83 8881.03,939.56 8879.65,950 8880,950 8880.35,1050 8878.97,1060.44 8874.94,1070.17 8868.53,1078.53 8860.17,1084.94 8850.44,1088.97 8840,1090.35 8840,1090 8400,1089.65 8389.56,1091.03 8379.83,1095.06 8371.47,1101.47 8365.06,1109.83 8361.03,1119.56 8359.65,1130 8360,1130 8360,1270
  region net LINE.N: 8039.65,930 8041.03,940.44 8045.06,950.17 8051.47,958.53 8059.83,964.94 8069.56,968.97 8080,970.35 8080,970 8760,970.35 8770.44,968.97 8780.17,964.94 8788.53,958.53 8794.94,950.17 8798.97,940.44 8800.35,930 8800,930 8800.35,750 8798.97,739.56 8794.94,729.83 8788.53,721.47 8780.17,715.06 8770.44,711.03 8760,709.65 8760,710 8380,710.35 8369.56,708.97 8359.83,704.94 8351.47,698.53 8345.06,690.17 8341.03,680.44 8339.65,670 8340,670 8339.65,200 8341.03,189.56 8345.06,179.83 8351.47,171.47 8359.83,165.06 8369.56,161.03 8380,159.65 8380,160 9420,159.65 9430.44,161.03 9440.17,165.06 9448.53,171.47 9454.94,179.83 9458.97,189.56 9460.35,200 9460,200 9459.65,690 9461.03,700.44 9465.06,710.17 9471.47,718.53 9479.83,724.94 9489.56,728.97 9500,730.35 9500,730 9730,730.35 9740.44,728.97 9750.17,724.94 9758.53,718.53 9764.94,710.17 9768.97,700.44 9770.35,690 9770,690 9770.35,-105 9768.97,-115.44 9764.94,-125.17 9758.53,-133.53 9750.17,-139.94 9740.44,-143.97 9730,-145.35 9730,-145 6735,-145.35 6724.56,-143.97 6714.83,-139.94 6706.47,-133.53 6700.06,-125.17 6696.03,-115.44 6694.65,-105 6695,-105 6695.35,295 6693.97,305.44 6689.94,315.17 6683.53,323.53 6675.17,329.94 6665.44,333.97 6655,335.35 6655,335 6395,334.65 6384.56,336.03 6374.83,340.06 6366.47,346.47 6360.06,354.83 6356.03,364.56 6354.65,375 6355,375 6354.65,640 6356.03,650.44 6360.06,660.17 6366.47,668.53 6374.83,674.94 6384.56,678.97 6395,680.35 6395,680 6900,680.35 6910.44,678.97 6920.17,674.94 6928.53,668.53 6934.94,660.17 6938.97,650.44 6940.35,640 6940,640 6939.65,49 6941.03,38.56 6945.06,28.83 6951.47,20.47 6959.83,14.06 6969.56,10.03 6980,8.65 6980,9 8000,8.65 8010.44,10.03 8020.17,14.06 8028.53,20.47 8034.94,28.83 8038.97,38.56 8040.35,49 8040,49 8040,930

## Silkscreen, mask and mechanical layers (free items; w line width, h text height)
Top Overlay:
  circle w20: c10800,1205 r170
  lines w8: 3597.78,174.15 6897.78,174.15 6897.78,2174.15 3597.78,2174.15 3597.78,174.15
  lines w10: 10650,1114 10935,1294
  text "Texas Instruments" at 1498,6966 h120
  text "HV-1PH-DCAC-R3" at 1640,6796 h100
  text "350-400V DC" at 505,5189 h90 r90
  text "1.7 Amps" at 642,5177 h90 r90
  text "CAUTION !" at 1018,5159 h150
  text "High Voltage" at 852,4951 h150
  text "15VDC, 1Amp" at -144,1790 h50 r0.1
  text "+3.3V POWER" at 1652,1699 h50
  text "+5V POWER" at 1237,1154 h50
  text "Pb" at 10870,1115 h120 r90
  text "For Evaluation Only;" at -141,699 h90 r0.1
  text "not FCC Approved for resale" at -159,578 h90 r0.1
  text "or 220VRMS" at 10950,245 h100 r90
  text "110VRMS" at 10810,200 h100 r90
  text "CAUTION !" at 10345,-90 h100 r90
  text "600VA Max" at 8203,-109 h100 r90
  text "High Voltage" at 10480,-110 h100 r90
Top Solder:
  the board outline again, w50
Bottom Solder:
  the board outline again, w50
Top Assy:
  lines w10: -235,-200 10995,-200 10995,7200 -235,7200 -235,-200
  text "Primary Side" at 4815,-695 h150
Bot Assy:
  lines w10: -235,-200 10995,-200 10995,7200 -235,7200 -235,-200
Mechanical 10:
  text "Secondary Side" at 6479.92,-654.45 h150
Mechanical 13:
  text "Primary Side" at 4024.92,-1054.45 h225
Drill Drawing:
  lines w1: -1575,8200 -375,8200 ; -1575,9000 -375,9000 ; -975,8500 -975,8200 ; -975,8700 -975,9000 ; 25,8500 325,8800 ; 25,8600 225,8800 ; 25,8700 125,8800 ; 125,8400 225,8500 ; 225,8400 325,8500 ; 325,8400 425,8500 ; 425,8400 525,8500 ; 425,8700 525,8800 ; 425,8800 25,8400 ; 525,8400 625,8500 ; 525,8700 625,8800 ; 625,8400 725,8500 ; 625,8700 725,8800 ; 725,8400 825,8500 ; 725,8700 825,8800 ; 825,8400 925,8500 ; 825,8700 925,8800 ; 925,8400 1025,8500 ; 925,8700 1025,8800 ; 1025,8400 1125,8500 ; 1025,8700 1125,8800 ; 1125,8400 1225,8500 ; 1125,8700 1225,8800 ; 1225,8400 1325,8500 ; 1225,8700 1325,8800 ; 1325,8400 1425,8500 ; 1325,8700 1425,8800 ; 1425,8400 1525,8500 ; 1425,8700 1525,8800 ; 1525,8400 1625,8500 ; 1525,8700 1625,8800 ; 1625,8400 1725,8500 ; 1625,8700 1725,8800 ; 1725,8400 1825,8500 ; 1725,8700 1825,8800 ; 1825,8400 1925,8500 ; 1825,8700 1925,8800 ; 1925,8400 2025,8500 ; 1925,8700 2025,8800 ; 2025,8400 2125,8500 ; 2025,8700 2125,8800 ; 2125,8400 2225,8500 ; 2125,8700 2225,8800 ; 2225,8400 2325,8500 ; 2225,8700 2325,8800 ; 2325,8400 2425,8500 ; 2325,8700 2425,8800 ; 2425,8400 2525,8500 ; 2425,8700 2525,8800 ; 2525,8400 2625,8500 ; 2525,8700 2625,8800 ; 2625,8400 2725,8500 ; 2625,8700 2725,8800 ; 2725,8400 2825,8500 ; 2725,8700 2825,8800 ; 2825,8400 2925,8500 ; 2825,8700 2925,8800 ; 2925,8400 3025,8500 ; 2925,8700 3025,8800 ; 3025,8400 3125,8500 ; 3025,8700 3125,8800 ; 3125,8400 3225,8500 ; 3125,8700 3225,8800 ; 3225,8400 3325,8500 ; 3225,8700 3325,8800 ; 3325,8400 3425,8500 ; 3325,8700 3425,8800 ; 3425,8400 3825,8800 ; 3425,8700 3525,8800 ; 3525,8400 3825,8700 ; 3525,8700 3625,8800 ; 3625,8400 3825,8600 ; 3625,8700 3725,8800 ; 3725,8400 3825,8500 ; -975,8200 -925,8325 -975,8300 -1025,8325 -975,8200 ; -975,9000 -1025,8875 -975,8900 -925,8875 -975,9000 ; 25,8400 3825,8400 3825,8800 ; 25,8400 25,8800 3825,8800 ; -175,8200 4025,8200 4025,8400 -175,8400 -175,8200 ; -175,8800 4025,8800 4025,9000 -175,9000 -175,8800
  lines w10: -928,-200 -286.22,-200 ; -928,7200 -286.22,7200 ; -236.22,-991 -236.22,-250 ; 0,-991 0,-50 0,-700 ; 11000,-700 11000,-250 ; -928,0 -50,0 -928,0 ; -235,-200 10995,-200 10995,7200 -235,7200 -235,-200
  lines w20: -6180,8240 -5205,8240 ; -5728.75,4659.75 -5661.25,4592.25 ; -5726,4593 -5656,4663 ; -5730,4590 -5655,4590 -5655,4665 -5730,4665 -5730,4590
  text "Layer 1 - Primary Side" at 4100,8872.73 h75
  text "Er = 4.3 - THICKNESS = FABRICATOR MAY DETERMINE" at 715.38,8568.26 h62.5
  text "0.062\" +/- 0.007\"" at -1484.14,8556.65 h75
  text "FABRICATION NOTES:" at -6204.2,8315 h56.25
  text "Layer 2 - Secondary Side" at 4100,8247.73 h75
  text "1. NUMBER OF LAYERS = 2" at -6204.2,8090 h56.25
  text "2. UNLESS OTHERWISE SPECIFIED THE PRINTED WIRING BOARD" at -6222.95,7958.75 h56.25
  text "SHALL MEET THE REQUIREMENTS OF IPC-6012 CLASS 2." at -6072.95,7808.75 h56.25
  text "3. ACCEPTABILIITY TO IPC-A-600 CLASS 2." at -6224.2,7645 h56.25
  text "4. MATERIAL:" at -6222.95,7490 h56.25
  text "A. TYPE: FR-4" at -5979.2,7340 h56.25
  text "B. RAW Cu WEIGHT OUTER LAYERS:  2 Oz." at -5979.2,7190 h56.25
  text "7200mils" at -1728,7159 h100
  text "C. RAW Cu WEIGHT INNER SIGNAL LAYERS:  N/A" at -5973.2,7050 h56.25
  text "D. RAW Cu WEIGHT INNER PLANE LAYERS:  N/A" at -5979.2,6890 h56.25
  text "5. PROCESSING:" at -6204.2,6590 h56.25
  text "A. COPPER THEIVING ALLOWED ON OUTER LAYERS KEEPING A MINIMUM OF 0.200'" at -5979.2,6440 h56.25
  text "B. REMOVE ALL UNUSED PADS ON ARTWORK ON ALL INNER LAYERS." at -5979.2,6290 h56.25
  text "C. ETCH DATE CODE AND UL RECOGNIZED VENDOR MARK ON SECONDARY SIDE." at -5979.2,6140 h56.25
  text "6. IMPEDANCE:" at -6204.2,5990 h56.25
  text "A. USE REQUIRMENTS IN STACKUP. FABRICATOR HAS PERMISSION TO CHANGE THICKNESS" at -5979.2,5840 h56.25
  text "AND TRACE WIDTHS IN ORDER TO MEET IMPEDANCE REQUIRMENTS." at -5829.2,5690 h56.25
  text "B. NON-CONTROLLED TRACES TO BE WITHIN 20% OF SPECIFIED APERTURE" at -5979.2,5540 h56.25
  text "VALUE IN ARTWORK." at -5829.2,5390 h56.25
  text "7. Cu PLATING:" at -6204.2,5240 h56.25
  text "A. UNLESS OTHERWISE SPECIFIED, HOLE DIMENSIONS ARE FOR FINISHED HOLES." at -5979.2,5090 h56.25
  text "B. UNLESS OTHERWISE SPECIFIED, HOLE BARREL THICKNESS TO BE 0.001\" MIN." at -5979.2,4940 h56.25
  text "8. FINISH PLATING:" at -6204.2,4790 h56.25
  text "FINISH ALL EXPOSED PADS WITH:" at -5229.2,4790 h56.25
  text "TIN/LEAD (HASL)" at -5604.2,4590 h56.25
  text "9. SOLDERMASK:" at -6171.4,4401.3 h56.25
  text "A. LPI GREEN SOLDER MASK OVER BARE COPPER BOTH SIDES." at -5921.4,4251.3 h56.25
  text "B. SOLDER MASK REGISTRATION TO BE WITHIN +/-.003\" OF RELEVANT LAYER." at -5921.4,4101.3 h56.25
  text "C. NO MASK TO APPEAR ON PADS" at -5921.4,3951.3 h56.25
  text "10. SILKSCREEN:" at -6171.4,3801.3 h56.25
  text "A. USE WHITE NON-CONDUCTIVE INK." at -5921.4,3651.3 h56.25
  text "B. NO SILKSCREEN TO APPEAR ON PADS." at -5921.4,3501.3 h56.25
  text "11. WARP AND TWIST NOT TO EXCEED .010 INCH/INCH." at -6171.4,3351.3 h56.25
  text "12. MILLING:" at -6171.4,3201.3 h56.25
  text "A. ALL BOARD DIMENSIONS TO BE HELD TO WITHIN 0.005\"." at -5921.4,3051.3 h56.25
  text "B. IF NO DIMENSIONS PRESENT, USE BOARD OUTLINE IN DD.PHO (THIS DRAWING)" at -5921.4,2901.3 h56.25
  text "TO FEED DIRECTLY INTO MILLING PROCESSOR." at -5771.4,2751.3 h56.25
  text "12. KNOWN GND SHORTS" at -6171.4,2521.3 h56.25
  text "A. SHORTS AT ( X, Y)" at -5906.4,2356.3 h56.25
  text "0" at -1078,-41 h100
  text ".Legend" at 11890,-130 h60
  text "-200mils" at -1728,-241 h100
  text "Primary Side" at 4037,-1052 h225
  text "0" at 72,-1191 h100 r90
  text "11000mils" at 11050,-1550 h100 r90
  text "-236mils" at -178,-1841 h100 r90

## Text inside footprints (layer, text, board x,y; h text height)
C11: Top Overlay "+" at 7121.57,3192.32 h47.24 r270
C57: Top Overlay "+" at 1366.57,362.32 h47.24 r270
C68: Top Overlay "+" at 1232.68,1491.57 h47.24
C73: Top Overlay "+" at 2221.57,1127.32 h47.24 r270
C74: Top Overlay "+" at 1917.32,1098.43 h47.24 r180
CN7: Top Overlay "10" at 3460,80 h50; Top Overlay "9" at 3460,-20 h50; Top Overlay "1" at 2920,-20 h50; Top Overlay "2" at 2900,80 h50
L4: Top Overlay "4" at 10255,1530 h40; Top Overlay "3" at 10230,2220 h40; Top Overlay "2" at 9330,2235 h40; Top Overlay "1" at 9355,1535 h40; Top Assy "1" at 9300,1530 h60
P1: Top Overlay "2" at 4008.76,1958.52 h50 r90; Top Overlay "1" at 3894.59,1958.52 h50 r90; Top Overlay "17" at 3918.21,911.28 h50 r90; Top Overlay "18" at 4028.45,923.09 h50 r90
P2: Top Overlay "8" at 6453.84,560.45 h50; Top Overlay "7" at 6453.84,460.45 h50; Top Overlay "1" at 6013.84,460.45 h50; Top Overlay "2" at 5993.84,560.45 h50
PW1: Top Overlay "GND" at 1700,3655 h59.06; Top Overlay "+5V" at 1705,4320 h59.06; Top Overlay "+15V" at 1645,4685 h59.06; Top Overlay "-VIN" at 55,3675 h59.06; Top Overlay "+VIN" at 55,4700 h59.06
Q5: Top Overlay "G" at 8385,3295 h37.4; Top Overlay "S" at 8384.57,3391.97 h37.4; Top Overlay "D" at 8385,3190 h37.4
SW1: Top Overlay "3" at 2599.84,769.21 h36.91; Top Overlay "1" at 2599.84,946.38 h36.91; Top Overlay "4" at 3003.39,769.21 h36.91; Top Overlay "2" at 3003.39,946.38 h36.91